# Altium PCB Mixed_Signal_Board_PCB.PcbDoc (part 1 of 4) (continued)
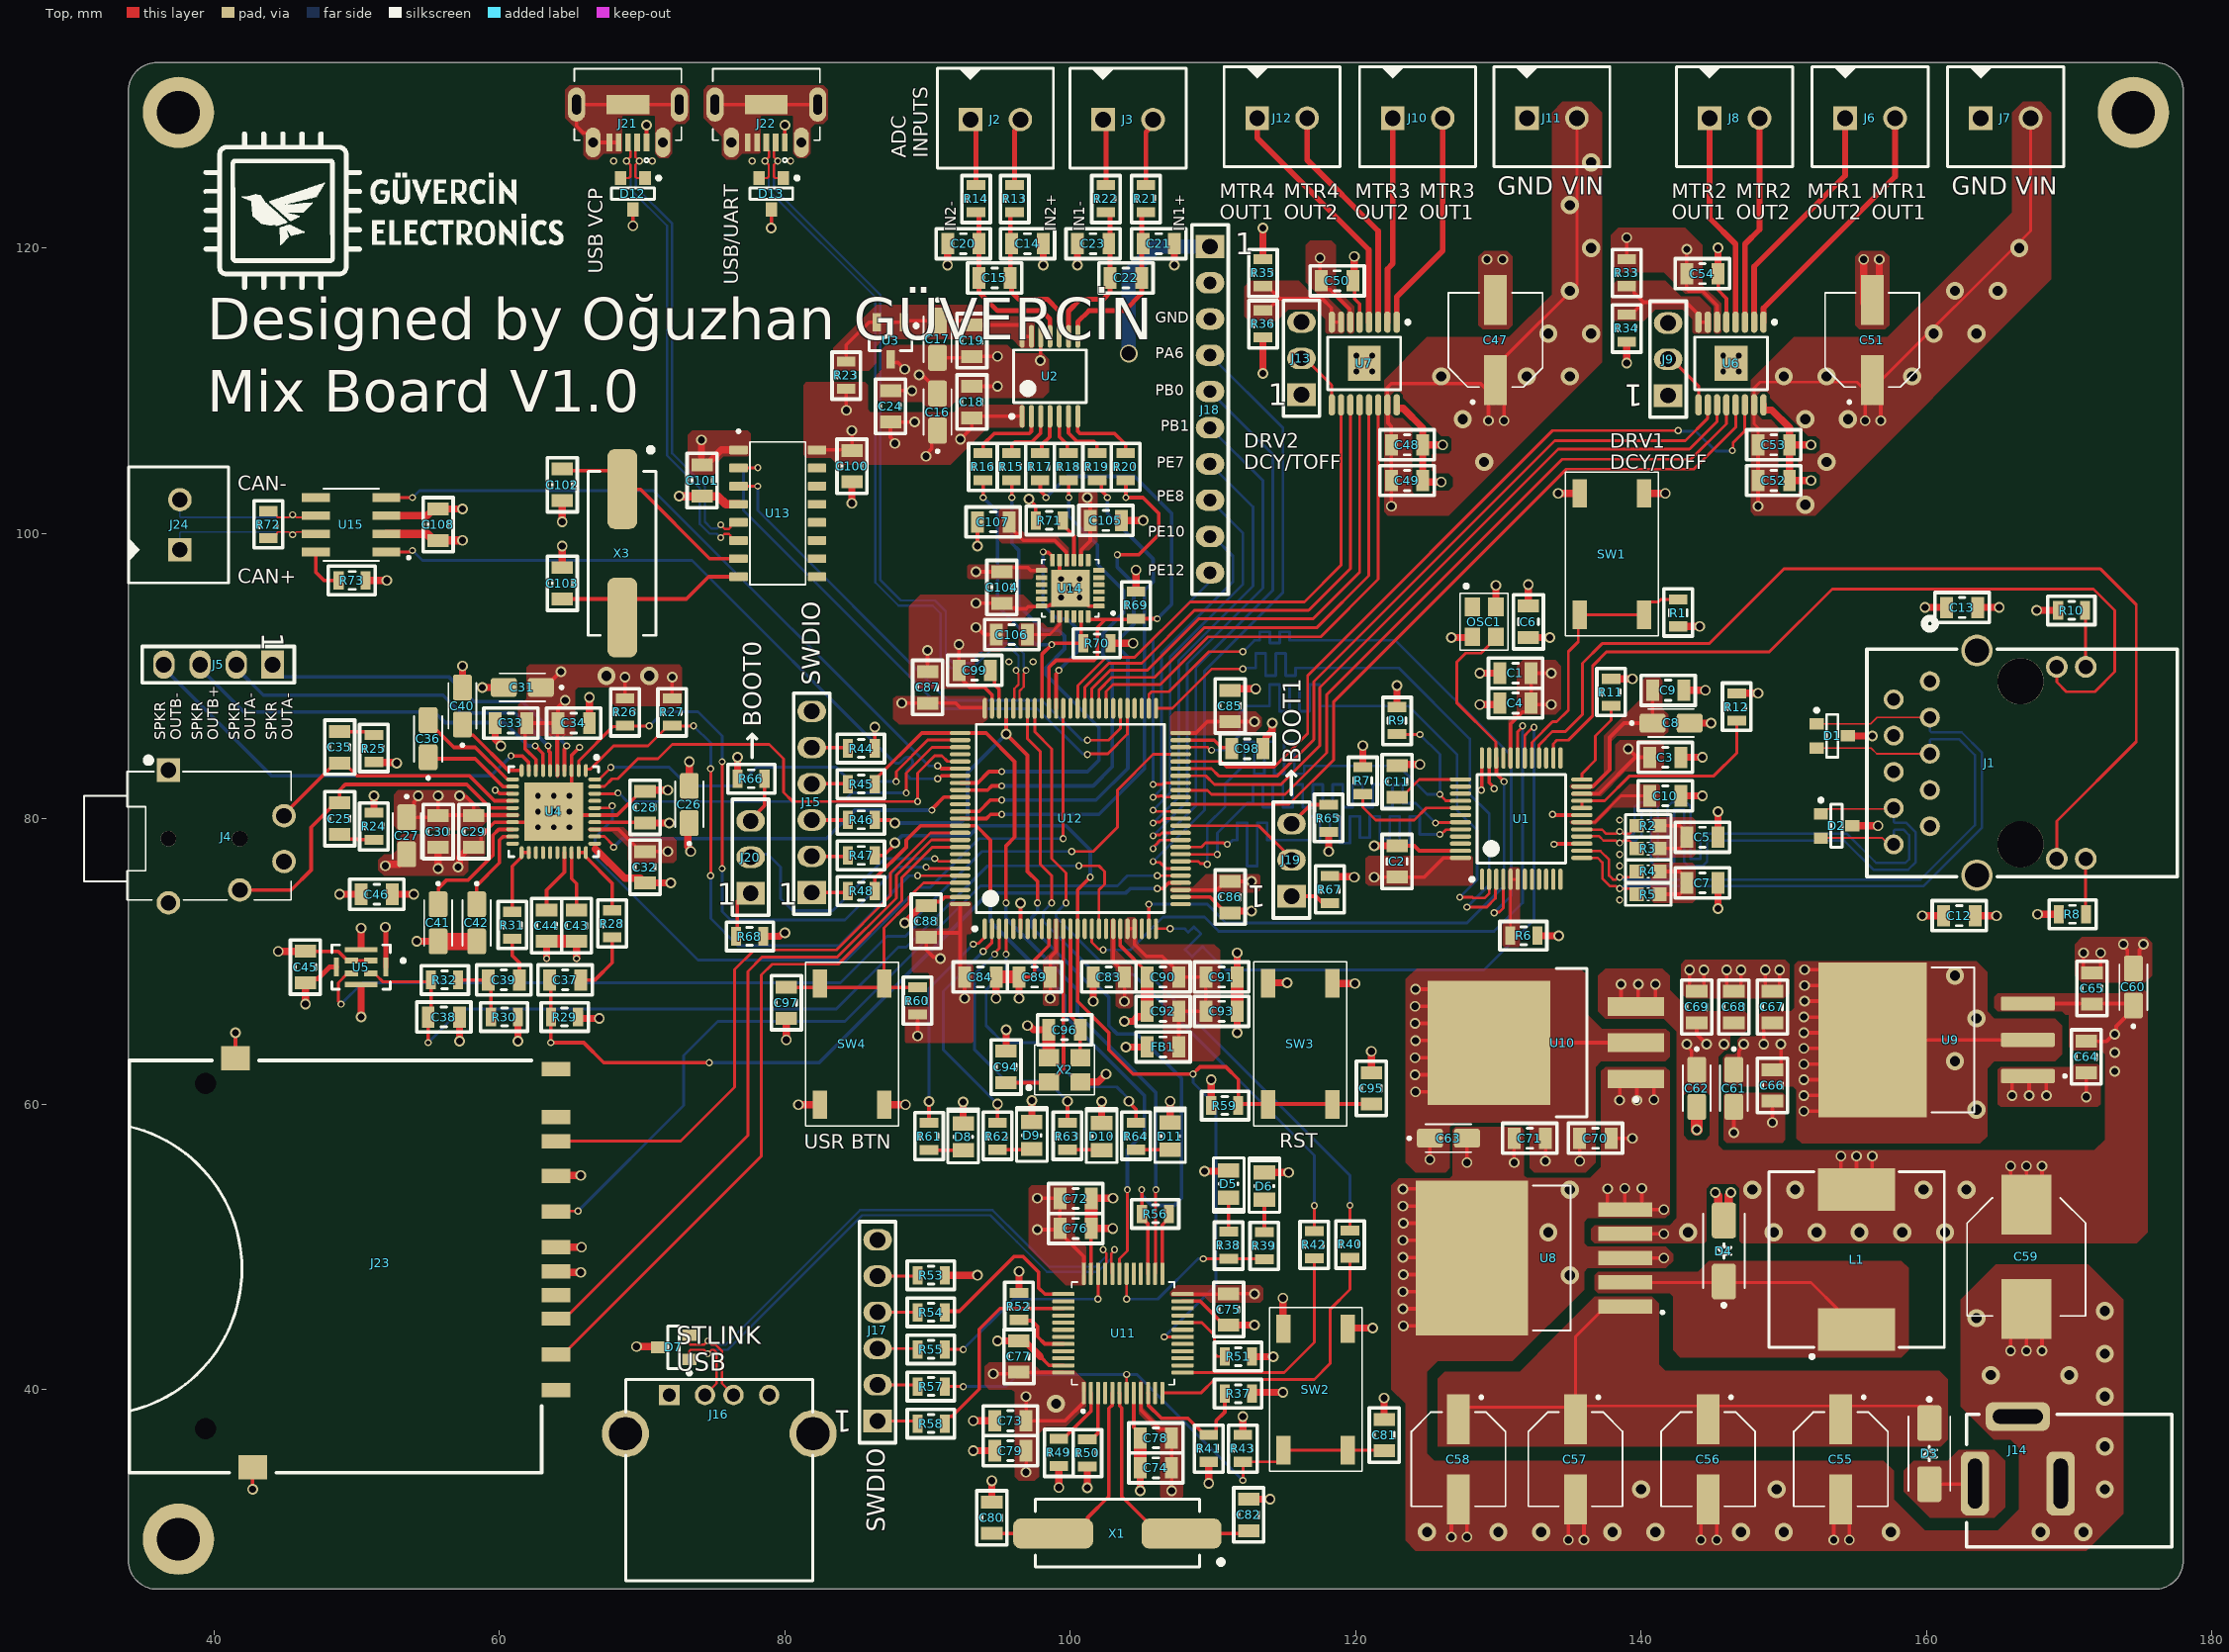
[diagram p0: Top view]
## Components (designator, comment, footprint, x,y, rotation, side; value= is the part's Value field where it differs from the comment) (continued)
U14 "IMU_ACCEL/GYRO_3-AXIS_I2C_24QFN" IC_MPU6050 100,96.15 r180 top
U15 "IC_TRANSCEIVER CAN_SN65HVD230D" SOIC127P599X175-8N 49.6,100.6 r180 top
X1 "8MHz" HC-49/US 103.3,29.9 r180 top
X2 "25MHz" 4-SMD-ABM8G-25.000MHZ-4Y-T3 99.6,62.4 r0 top
X3 "CRYSTAL_12MHz_20PF_SMD" HC-49/US 68.6,98.6 r270 top

## Footprints (in the part's own frame and the unit in brackets; to place one, negate y for a bottom-side part, rotate by r counter-clockwise, add the part's x,y. Pads: shape width x height; smd on the part's side, far side on the other; paste and mask are expansions set on the pad)
"1X2_TERMINAL BLOCK" [mm]
  rect 1.65x1.65 hole 1.1: 1(0,0)
  round 1.65 hole 1.1: 2(3.5,0)
  silkscreen extent -2.32,-3.4 5.82,3.6, body extent -2.32,-3.3 5.68,3.7, height 8.41
4-SMD-ABM8G-25.000MHZ-4Y-T3 [mm]
  rect 1.4x1.2 smd: 1(-1.1,-0.85) 2(1.1,-0.85) 3(1.1,0.85) 4(-1.1,0.85)
  silkscreen extent -2.62,-1.75 2.1,1.75, body extent -1.6,-1.24 1.6,1.24, height 0.99
4-SMD_CMOS_OSC_3.20MMX2.50 [mm]
  rect 1.3x1.1 smd: 1(-1.05,-0.825) 2(1.05,-0.825) 3(1.05,0.825) 4(-1.05,0.825)
  silkscreen extent -2.62,-1.68 2,1.68, body extent -1.6,-1.25 1.6,1.25, height 1.21
0603_RES [mm]
  rect 1x0.95 smd: 1(-0.8,0) 2(0.8,0)
  silkscreen extent -1.6,-0.77 1.6,0.77, body extent -0.8,-0.4 0.8,0.4, height 0.51
0805_CAP [mm] "Chip Resistor, 2-Leads, Body 2,00x1,25mm, IPC Medium Density"
  rect 0.9x1.5 smd: 1(-1.1,0) 2(1.1,0)
  silkscreen extent -1.9,-1.05 1.9,1.05, body extent -1,-0.6 1,0.6, height 1.21
0805_FB [mm]
  rect 0.9x1.5 smd: 1(-1.1,0) 2(1.1,0)
  silkscreen extent -1.9,-1.05 1.9,1.05
0805_RES [mm] "Chip Resistor, 2-Leads, Body 2,00x1,25mm, IPC Medium Density"
  rect 0.7x1.3 smd: 1(-0.975,0) 2(0.925,0)
  silkscreen extent -1.7,-1 1.6,1, body extent -1,-0.6 1,0.6, height 0.61
1206_TANT_CAP [mm]
  rrect25% 1.81x1.32 smd: 1(-1.3,0) 2(1.3,0)
  silkscreen extent -2.85,-0.98 1.6,0.98, body extent -1.6,-0.8 1.6,0.8, height 1.81
ARJM11C7-114-BA-EW2_ABR [mil]
  round 55 hole 35 mask+0: 1(0,0) 2(-50,100) 3(-100,0) 4(-150,100) 5(-200,0) 6(-250,100) 7(-300,0) 8(-350,100) 9(-400,0) 10(-450,100)
  round 60 hole 40: 11(39.76,-350) 12(39.76,-429.92) 13(-489.76,-350) 14(-489.76,-429.92)
  round 87 hole 67: 15(85.04,-129.92) 16(-535.04,-129.92)
  round 128 hole 128: 17(0,-250) 18(-450,-250)
  silkscreen extent -539,-682 174,174, body extent -597,-675 147,177, height 602
"CONN TRSS HEADPHONE JACK" [mm]
  rect 1.65x1.65 hole 1.1: 1(-2.6,4.8)
  round 1.65 hole 1.1: 2(2.4,-3.6) 3(5.5,1.6) 4(-2.6,-4.5) 5(5.5,-1.6)
  round 1.1 hole 1.1 unplated: ""(-2.6,0) ""(2.4,0)
  silkscreen extent -8.5,-4.3 6,5.7, body extent -8,-5.3 6,4.9, height 5.26
DC_POWER_JACK_2MM [mm]
  rrect50% 2x4.5 hole 1 slot 3.5 at 90 deg: 1(-6,0) 2(0,0)
  rrect50% 4.5x2 hole 1 slot 3.5 at 0 deg: 3(-3,4.7)
  silkscreen extent -6.6,-4.45 7.8,4.85, body extent -6.6,-4.45 7.8,4.85, height 3
DIOC2114X07N-0805-LED-BLUE [mm] "Chip Diode, 2-Leads, Body 2,10x1,35mm, IPC Medium Density"
  rect 1x1.5 smd: 1(-0.95,0) 2(0.95,0)
  silkscreen extent -1.97,-1.07 1.83,1.07, body extent -1,-0.63 1,0.63, height 1.12
DIOC2114X07N-0805-LED-GREEN [mm] "Chip Diode, 2-Leads, Body 2,10x1,35mm, IPC Medium Density"
  rect 1x1.5 smd: 1(-0.95,0) 2(0.95,0)
  silkscreen extent -1.97,-1.07 1.83,1.07, body extent -1,-0.63 1,0.63, height 1.12
DIOC2114X07N-0805-LED-RED [mm] "Chip Diode, 2-Leads, Body 2,10x1,35mm, IPC Medium Density"
  rect 1x1.5 smd: 1(-0.95,0) 2(0.95,0)
  silkscreen extent -1.97,-1.07 1.83,1.07, body extent -1,-0.63 1,0.63, height 1.12
DIOC2114X07N-0805-LED-YELLOW [mm] "Chip Diode, 2-Leads, Body 2,10x1,35mm, IPC Medium Density"
  rect 1x1.5 smd: 1(-0.95,0) 2(0.95,0)
  silkscreen extent -1.97,-1.07 1.83,1.07, body extent -1,-0.63 1,0.63, height 1.12
DIOM5226X220N-SMA [mm]
  rrect25% 2.5x1.7 smd: 1(-2.14,0) 2(2.14,0)
  silkscreen extent -3.92,-1.46 2.61,1.46, body extent -2.6,-1.36 2.6,1.36, height 2.7
DIOM5226X220N_D1FH3/5053 [mm]
  rrect25% 2.5x1.7 smd: 1(-2.14,0) 2(2.14,0)
  silkscreen extent -3.92,-1.46 2.61,1.46, body extent -2.6,-1.36 2.6,1.36, height 2.7
DIP_1X3_MALE_HEADER_2.54_PITCH [mm]
  rect 1.6x2 hole 1.1: 1(0,0)
  oval 1.5x2 hole 1.1: 2(2.54,0) 3(5.08,0)
  silkscreen extent -1.52,-1.27 6.6,1.27, body extent -1.27,-1.14 6.35,1.4, height 8.96
DIP_1X4_MALE_HEADER_2.54_PITCH [mm]
  rect 1.6x2 hole 1.1: 1(0,0)
  oval 1.5x2 hole 1.1: 2(2.54,0) 3(5.08,0) 4(7.62,0)
  silkscreen extent -1.52,-1.27 9.14,1.27, body extent -1.27,-1.27 8.89,1.27, height 8.96
DIP_1X6_MALE_HEADER_2.54_PITCH [mm]
  rect 1.6x2 hole 1.1: 1(0,0)
  oval 1.5x2 hole 1.1: 2(2.54,0) 3(5.08,0) 4(7.62,0) 5(10.16,0) 6(12.7,0)
  silkscreen extent -1.52,-1.27 13.97,1.27, body extent -1.27,-1.27 13.97,1.27, height 9.2
DIP_1X10_FEMALE_HEADER_2.54_PITCH [mm]
  rect 1.6x2 hole 1.1: 1(0,0)
  oval 1.5x2 hole 0.9: 2(2.54,0) 3(5.08,0) 4(7.62,0) 5(10.16,0) 6(12.7,0) 7(15.24,0) 8(17.78,0) 9(20.32,0) 10(22.86,0)
  silkscreen extent -1.52,-1.27 24.38,1.27, body extent -1.52,-1.27 24.38,1.27, height 8.51
DPAK254P1542X460-4N [mm] "D2-PAK, 4-Pads, Body 7,78x8,56mm (max), IPC Medium Density"
  rect 3.95x1.3 smd: 1(-6.35,2.54) 2(-6.35,0) 3(-6.35,-2.54)
  rect 8.6x8.7 smd: 4(3.95,0)
  silkscreen extent -6.48,-5.2 -0.75,5.2, body extent -7.55,-5.15 7.55,5.15, height 4.6
HC-49/US [mm]
  rrect50% 5.6x2.1 smd: 1(-4.5,0) 2(4.5,0)
  silkscreen extent -7.47,-2.4 5.75,2.35, body extent -6.35,-2.35 6.35,2.35, height 4.18
IC_MPU6050 [mm]
  rrect25% 0.8x0.34 smd: 1(-2,1.25) 2(-2,0.75) 3(-2,0.25) 4(-2,-0.25) 5(-2,-0.75) 6(-2,-1.25) 13(2,-1.25) 14(2,-0.75) 15(2,-0.25) 16(2,0.25) 17(2,0.75) 18(2,1.25)
  rrect25% 0.34x0.85 smd: 7(-1.25,-1.975) 8(-0.75,-1.975) 9(-0.25,-1.975) 10(0.25,-1.975) 11(0.75,-1.975) 12(1.25,-1.975) 19(1.25,1.975) 20(0.75,1.975) 21(0.25,1.975) 22(-0.25,1.975) 23(-0.75,1.975) 24(-1.25,1.975)
  rect 2.7x2.6 smd paste-2: 25(0,0)
  silkscreen extent -3.1,-2 2,2, body extent -2,-2 2,2, height 0.93
INDP120120X800N [mm]
  rect 3x5.4 smd: 1(-4.9,0) 2(4.9,0)
  silkscreen extent -6.92,-6.15 6.15,6.15, body extent -6.05,-6.05 6.05,6.05, height 7.29
MIC_IMP34DT05TR [mm]
  rect 0.95x0.4 smd paste+0 mask+0: 1(-0.675,-0.45) 2(0.675,-0.45) 3(0.675,0.45) 4(-0.675,0.45)
  rect 0.35x1.3 smd paste+0 mask+0: 5(-1.725,0) 5(1.725,0)
  rect 2.3x0.35 smd paste+0 mask+0: 5(0,1.225) 5(0,-1.225)
  silkscreen extent -3.08,-1.55 2.05,1.55, body extent -2,-1.5 2,1.5, height 1.1
MICRO_USB2.0_CUI_UJ2-MIBH2-4-SMT [mm]
  rect 1.25x0.4 smd: 1(0,0) 2(0,-0.65) 3(0,-1.3) 4(0,-1.95) 5(0,-2.6)
  oval 2.4x1.2 hole 0.6 slot 1.4 at 0 deg: SH1(-2.65,2.3) SH4(-2.65,-4.9)
  oval 2.1x1.05 hole 0.7: SH2(0,1.15) SH5(0,-3.75)
  rect 1.35x3 smd: SH3(-2.656,-1.3)
  silkscreen extent -5.15,-5.05 1.4,2.45, body extent -5.5,-5.3 0.3,2.7, height 2.73
QFN50P600X600X100_HS-41N [mm] "QFN, 40-Leads, Body 6,00x6,00mm, Pitch 0,50mm, Thermal Pad 4,10x4,10mm, IPC Medium Density"
  oval 0.9x0.28 smd: 1(-2.875,2.25) 2(-2.875,1.75) 3(-2.875,1.25) 4(-2.875,0.75) 5(-2.875,0.25) 6(-2.875,-0.25) 7(-2.875,-0.75) 8(-2.875,-1.25) 9(-2.875,-1.75) 10(-2.875,-2.25) 21(2.875,-2.25) 22(2.875,-1.75) 23(2.875,-1.25) 24(2.875,-0.75) 25(2.875,-0.25) 26(2.875,0.25) 27(2.875,0.75) 28(2.875,1.25) 29(2.875,1.75) 30(2.875,2.25)
  oval 0.28x0.9 smd: 11(-2.25,-2.875) 12(-1.75,-2.875) 13(-1.25,-2.875) 14(-0.75,-2.875) 15(-0.25,-2.875) 16(0.25,-2.875) 17(0.75,-2.875) 18(1.25,-2.875) 19(1.75,-2.875) 20(2.25,-2.875) 31(2.25,2.875) 32(1.75,2.875) 33(1.25,2.875) 34(0.75,2.875) 35(0.25,2.875) 36(-0.25,2.875) 37(-0.75,2.875) 38(-1.25,2.875) 39(-1.75,2.875) 40(-2.25,2.875)
  rect 4.1x4.1 smd: 41(0,0)
  silkscreen extent -3.92,-3.15 3.15,3.15, body extent -3,-3 3,3, height 1.01
QFP50P900X900X160-48N [mm]
  rrect50% 1.56x0.28 smd: 1(-4.18,2.75) 2(-4.18,2.25) 3(-4.18,1.75) 4(-4.18,1.25) 5(-4.18,0.75) 6(-4.18,0.25) 7(-4.18,-0.25) 8(-4.18,-0.75) 9(-4.18,-1.25) 10(-4.18,-1.75) 11(-4.18,-2.25) 12(-4.18,-2.75) 25(4.18,-2.75) 26(4.18,-2.25) 27(4.18,-1.75) 28(4.18,-1.25) 29(4.18,-0.75) 30(4.18,-0.25) 31(4.18,0.25) 32(4.18,0.75) 33(4.18,1.25) 34(4.18,1.75) 35(4.18,2.25) 36(4.18,2.75)
  rrect50% 0.28x1.56 smd: 13(-2.75,-4.18) 14(-2.25,-4.18) 15(-1.75,-4.18) 16(-1.25,-4.18) 17(-0.75,-4.18) 18(-0.25,-4.18) 19(0.25,-4.18) 20(0.75,-4.18) 21(1.25,-4.18) 22(1.75,-4.18) 23(2.25,-4.18) 24(2.75,-4.18) 37(2.75,4.18) 38(2.25,4.18) 39(1.75,4.18) 40(1.25,4.18) 41(0.75,4.18) 42(0.25,4.18) 43(-0.25,4.18) 44(-0.75,4.18) 45(-1.25,4.18) 46(-1.75,4.18) 47(-2.25,4.18) 48(-2.75,4.18)
  silkscreen extent -5.56,-3.6 3.6,3.6, body extent -4.5,-4.5 4.5,4.5, height 1.62
RADIAL-2_6.3MMX7.7MM [mm]
  rect 3.5x1.6 smd: 1(-2.8,0) 2(2.8,0)
  silkscreen extent -4.45,-3.3 3.3,3.3, body extent -3.65,-3.25 3.65,3.35, height 5.91
RADIAL-2_8MMX10MM [mm]
  rect 4.2x3.5 smd: 1(-3.65,0) 2(3.65,0)
  silkscreen extent -4.13,-4.15 4.15,4.15, body extent -4.5,-4.15 4.5,4.15, height 10.51
"SD CARD L-KLS1-TF-003" [mm]
  rect 1x2 smd: 1(19.99,1) 2(17.49,1) 3(14.19,1) 4(12.48,1) 5(9.98,1) 6(7.48,1) 7(5.05,1) 8(3.35,1) 9(22.49,1) CD(15.84,1) WP(0,1)
  round 0 hole 1.5 unplated: 10(1,-23.55) 11(25.2,-23.55)
  rect 1.7x2 smd: SH1(-0.75,-21.45) SH2(27.9,-20.25)
  silkscreen extent -0.6,-28.91 28.3,0, body extent -0.63,-28.92 28.28,-0.02, height 2.71
SOIC127P599X175-8N [mm]
  rect 1.97x0.6 smd: 1(-2.47,1.905) 2(-2.47,0.635) 3(-2.47,-0.635) 4(-2.47,-1.905) 5(2.47,-1.905) 6(2.47,-0.635) 7(2.47,0.635) 8(2.47,1.905)
  silkscreen extent -4.14,-2.52 1.95,2.52, body extent -3,-2.45 3,2.45, height 1.75
SOIC127P600X180-16N [mm]
  rrect25% 1.31x0.62 smd: 1(-2.75,4.445) 2(-2.75,3.175) 3(-2.75,1.905) 4(-2.75,0.635) 5(-2.75,-0.635) 6(-2.75,-1.905) 7(-2.75,-3.175) 8(-2.75,-4.445) 9(2.75,-4.445) 10(2.75,-3.175) 11(2.75,-1.905) 12(2.75,-0.635) 13(2.75,0.635) 14(2.75,1.905) 15(2.75,3.175) 16(2.75,4.445)
  silkscreen extent -2.85,-5 1.95,5.85, body extent -3,-5 3,5, height 1.8
SOT95P237X112-3N [mm] "SOT23, 3-Leads, Body 2,92x2,37mm, Pitch 0,95mm, IPC Medium Density"
  rect 1.3x0.6 smd: 1(-1.3,0.95) 2(-1.3,-0.95) 3(1.3,0)
  silkscreen extent -1.17,-1.5 0.7,1.93, body extent -1.4,-1.45 1.4,1.45, height 1.3
SOT170P237X110-3N [mm] "SOT223, 3-Leads, Body 2,92x2,37mm (avg), Pitch 1,70mm, IPC Medium Density"
  rect 1x0.8 smd: 1(-1.1,0.85) 2(-1.1,-0.85) 3(1.1,0)
  silkscreen extent -1.22,-1.5 0.4,1.92, body extent -1.17,-1.46 1.17,1.46, height 0.91
STM32F407_LQFP50P1600X1600X160-100N [mm] "LQFP, 100-Leads, Body 14,00x14,00mm, Pitch 0,50mm, IPC Medium Density"
  oval 0.3x1.45 smd: 1(-5.992,-7.717) 2(-5.492,-7.717) 3(-4.992,-7.717) 4(-4.492,-7.717) 5(-3.992,-7.717) 6(-3.492,-7.717) 7(-2.992,-7.717) 8(-2.492,-7.717) 9(-1.992,-7.717) 10(-1.492,-7.717) 11(-0.992,-7.717) 12(-0.492,-7.717) 13(0.008,-7.717) 14(0.508,-7.717) 15(1.008,-7.717) 16(1.508,-7.717) 17(2.008,-7.717) 18(2.508,-7.717) 19(3.008,-7.717) 20(3.508,-7.717) 21(4.008,-7.717) 22(4.508,-7.717) 23(5.008,-7.717) 24(5.508,-7.717) 25(6.008,-7.717) 51(6.008,7.733) 52(5.508,7.733) 53(5.008,7.733) 54(4.508,7.733) 55(4.008,7.733) 56(3.508,7.733) 57(3.008,7.733) 58(2.508,7.733) 59(2.008,7.733) 60(1.508,7.733) 61(1.008,7.733) 62(0.508,7.733) 63(0.008,7.733) 64(-0.492,7.733) 65(-0.992,7.733) 66(-1.492,7.733) 67(-1.992,7.733) 68(-2.492,7.733) 69(-2.992,7.733) 70(-3.492,7.733) 71(-3.992,7.733) 72(-4.492,7.733) 73(-4.992,7.733) 74(-5.492,7.733) 75(-5.992,7.733)
  oval 1.45x0.3 smd: 26(7.733,-5.992) 27(7.733,-5.492) 28(7.733,-4.992) 29(7.733,-4.492) 30(7.733,-3.992) 31(7.733,-3.492) 32(7.733,-2.992) 33(7.733,-2.492) 34(7.733,-1.992) 35(7.733,-1.492) 36(7.733,-0.992) 37(7.733,-0.492) 38(7.733,0.008) 39(7.733,0.508) 40(7.733,1.008) 41(7.733,1.508) 42(7.733,2.008) 43(7.733,2.508) 44(7.733,3.008) 45(7.733,3.508) 46(7.733,4.008) 47(7.733,4.508) 48(7.733,5.008) 49(7.733,5.508) 50(7.733,6.008) 76(-7.717,6.008) 77(-7.717,5.508) 78(-7.717,5.008) 79(-7.717,4.508) 80(-7.717,4.008) 81(-7.717,3.508) 82(-7.717,3.008) 83(-7.717,2.508) 84(-7.717,2.008) 85(-7.717,1.508) 86(-7.717,1.008) 87(-7.717,0.508) 88(-7.717,0.008) 89(-7.717,-0.492) 90(-7.717,-0.992) 91(-7.717,-1.492) 92(-7.717,-1.992) 93(-7.717,-2.492) 94(-7.717,-2.992) 95(-7.717,-3.492) 96(-7.717,-3.992) 97(-7.717,-4.492) 98(-7.717,-4.992) 99(-7.717,-5.492) 100(-7.717,-5.992)
  silkscreen extent -6.82,-7.84 6.61,6.61, body extent -7.98,-8 8.02,8, height 1.48
TACT_SWITCH_6MMX6MM [mm]
  rect 2x1 smd: 1(-4.25,2.25) 2(4.25,2.25) 3(-4.25,-2.25) 4(4.25,-2.25)
  silkscreen extent -5.75,-3.25 5.75,3.25, body extent -4.5,-3 4.5,3, height 4.31
TO170P1524X483-6N [mm]
  rect 3.79x0.99 smd: 1(-6.4,3.4) 2(-6.4,1.7) 3(-6.4,0) 4(-6.4,-1.7) 5(-6.4,-3.4)
  rect 7.88x10.84 smd paste-6: 6(4.35,0)
  silkscreen extent -9.1,-5.08 0.09,5.08, body extent -7.18,-5.08 7.18,5.08, height 4.65
TO254P1524X483-4N [mm]
  rrect25% 3.79x0.99 smd: 1(-6.4,2.54) 2(-6.4,0) 3(-6.4,-2.54)
  rect 7.62x10.84 smd paste-6: 4(4.48,0)
  silkscreen extent -9.1,-5.08 0.35,5.08, body extent -7.18,-5.08 7.18,5.08, height 4.65
TSOP65P640X120-14N [mm] "TSOP, 14-Leads, Body 5,00x4,40mm, Pitch 0,65mm, IPC Medium Density"
  oval 1.6x0.35 smd: 1(-2.8,1.95) 2(-2.8,1.3) 3(-2.8,0.65) 4(-2.8,0) 5(-2.8,-0.65) 6(-2.8,-1.3) 7(-2.8,-1.95) 8(2.8,-1.95) 9(2.8,-1.3) 10(2.8,-0.65) 11(2.8,0) 12(2.8,0.65) 13(2.8,1.3) 14(2.8,1.95)
  silkscreen extent -2.92,-2.55 1.85,2.8, body extent -3.2,-2.5 3.2,2.5, height 1.2
TSOP65P640X120_HS-17N [mm] "TSOP, 16-Leads, Body 5,00x4,40mm, Pitch 0,65mm, Thermal Pad 2,31x2,46mm, IPC Medium Density"
  oval 1.5x0.45 smd: 1(-2.9,2.275) 2(-2.9,1.625) 3(-2.9,0.975) 4(-2.9,0.325) 5(-2.9,-0.325) 6(-2.9,-0.975) 7(-2.9,-1.625) 8(-2.9,-2.275) 9(2.9,-2.275) 10(2.9,-1.625) 11(2.9,-0.975) 12(2.9,-0.325) 13(2.9,0.325) 14(2.9,0.975) 15(2.9,1.625) 16(2.9,2.275)
  rect 2.46x2.31 smd: 17(0,0)
  silkscreen extent -3.02,-2.55 1.85,3.17, body extent -3.2,-2.5 3.2,2.5, height 1.13
TSQFP50P900X900X160-48N [mm] "TSQFP, 48-Leads, Body 7,00x7,00mm, Pitch 0,50mm, IPC Medium Density"
  oval 1.5x0.3 smd: 1(-4.25,2.75) 2(-4.25,2.25) 3(-4.25,1.75) 4(-4.25,1.25) 5(-4.25,0.75) 6(-4.25,0.25) 7(-4.25,-0.25) 8(-4.25,-0.75) 9(-4.25,-1.25) 10(-4.25,-1.75) 11(-4.25,-2.25) 12(-4.25,-2.75) 25(4.25,-2.75) 26(4.25,-2.25) 27(4.25,-1.75) 28(4.25,-1.25) 29(4.25,-0.75) 30(4.25,-0.25) 31(4.25,0.25) 32(4.25,0.75) 33(4.25,1.25) 34(4.25,1.75) 35(4.25,2.25) 36(4.25,2.75)
  oval 0.3x1.5 smd: 13(-2.75,-4.25) 14(-2.25,-4.25) 15(-1.75,-4.25) 16(-1.25,-4.25) 17(-0.75,-4.25) 18(-0.25,-4.25) 19(0.25,-4.25) 20(0.75,-4.25) 21(1.25,-4.25) 22(1.75,-4.25) 23(2.25,-4.25) 24(2.75,-4.25) 37(2.75,4.25) 38(2.25,4.25) 39(1.75,4.25) 40(1.25,4.25) 41(0.75,4.25) 42(0.25,4.25) 43(-0.25,4.25) 44(-0.75,4.25) 45(-1.25,4.25) 46(-1.75,4.25) 47(-2.25,4.25) 48(-2.75,4.25)
  silkscreen extent -4.37,-3.1 3.1,3.57, body extent -4.5,-4.5 4.5,4.5, height 1.5
USB_2.0_B_OST_USB-A1HSW6 [mm]
  rect 1.428x1.428 hole 0.92: 1(-3.5,6.51)
  round 1.428 hole 0.92: 2(-1,6.51) 3(1,6.51) 4(3.5,6.51)
  round 3.3 hole 2.3: SH1(-6.57,3.8) SH2(6.57,3.8)
  silkscreen extent -6.55,-6.5 6.55,7.6, body extent -7.9,-6.5 7.9,7.6, height 7.61

## Part data
C1 C2 C3 C5 C6 C7 C9 C10 C11 C12 C13 C15 C18 C19 C22 C28 C29 C30 C32 C33 C34 C45 C48 C49 C52 C53 C65 C66 C69 C70 C75 C76 C77 C81 C84 C85 C86 C87 C88 C89 C90 C91 C95 C97 C100 C104 C107 C108: "Cap Ceramic 0.1uF 50V X7R 20% SMD 0805 125C Paper T/R", Capacitance=100nF, Case/Package=0805, Dielectric=X7R, Dielectric Material=Ceramic, Manufacturer=KEMET, Manufacturer Part Number=C0805C104M5RACTU, Max Operating Temperature=125°C, Min Operating Temperature=-55°C, Supplier Part Number 1=399-C0805C104M5RAC7800CT-ND, Tolerance=20%, Voltage Rating (DC)=50V, Category="Ceramic Capacitors", ComponentLink1Description=http://uk.rs-online.com/webdocs/13da/0900766b813daa06.pdf?src-supplier=RSComponents, ComponentLink1URL=http://uk.rs-online.com/webdocs/13da/0900766b813daa06.pdf?src-supplier=RSComponents, ComponentLink3Description=http://www.farnell.com/datasheets/2739857.pdf?src-supplier=Farnell, ComponentLink3URL=http://www.farnell.com/datasheets/2739857.pdf?src-supplier=Farnell, Depth=1.25mm, Height=0.9mm, Length=2mm, Mount="Surface Mount", Packaging="Tape and Reel", Pricing 1="1=0,10000, 10=0,06400, 50=0,03500, 100=0,02860, 500=0,02040, 1000=0,01603 (USD)", Radiation Hardening=No, RoHS=Yes, Stock 1=4863, Supplier 1=Digi-Key
  C1 C2 C3 C5 C6 C7 C9 C10 C11 C12 C13 C15 C18 C19 C22 C28 C29 C30 C32 C33 C34 C45 C48 C49 C52 C53 C65 C66 C69 C70 C75 C76 C77 C84 C85 C86 C87 C88 C89 C90 C91 C100 C104 C107 C108: ComponentLink2Description=https://www.verical.com/server-webapp/html/getDatasheet?partID=774625&src-supplier=Verical, ComponentLink2URL=https://www.verical.com/server-webapp/html/getDatasheet?partID=774625&src-supplier=Verical, ComponentLink4Description=http://uk.rs-online.com/webdocs/1515/0900766b81515223.pdf?src-supplier=RSComponents, ComponentLink4URL=http://uk.rs-online.com/webdocs/1515/0900766b81515223.pdf?src-supplier=RSComponents, ComponentLink5Description=http://components.arrow.com/part/dataview/0323_00324812?src-supplier=Arrow+Europe, ComponentLink5URL=http://components.arrow.com/part/dataview/0323_00324812?src-supplier=Arrow+Europe, ComponentLink6Description=http://uk.rs-online.com/webdocs/1528/0900766b81528e2f.pdf?src-supplier=RSComponents, ComponentLink6URL=http://uk.rs-online.com/webdocs/1528/0900766b81528e2f.pdf?src-supplier=RSComponents, ComponentLink7Description=http://www.farnell.com/datasheets/2739857.pdf?src-supplier=Newark, ComponentLink7URL=http://www.farnell.com/datasheets/2739857.pdf?src-supplier=Newark, ComponentLink8Description=http://www.alliedelec.com/m/d/9bfe7773041ffe9d406e68bc7b377fdd.pdf?src-supplier=Allied+Electronics, ComponentLink8URL=http://www.alliedelec.com/m/d/9bfe7773041ffe9d406e68bc7b377fdd.pdf?src-supplier=Allied+Electronics, ComponentLink9Description=https://api.kemet.com/component-edge/download/datasheet/C0805C104M5RACTU.pdf?src-supplier=Digi-Key, ComponentLink9URL=https://api.kemet.com/component-edge/download/datasheet/C0805C104M5RACTU.pdf?src-supplier=Digi-Key, ComponentLink10Description=http://capacitoredge.kemet.com/capedge2/DataSheet?pn=C0805C104M5RACTU&src-supplier=Avnet+Europe, ComponentLink10URL=http://capacitoredge.kemet.com/capedge2/DataSheet?pn=C0805C104M5RACTU&src-supplier=Avnet+Europe, ComponentLink11Description=http://www.farnell.com/datasheets/2739857.pdf?src-supplier=Element14, ComponentLink11URL=http://www.farnell.com/datasheets/2739857.pdf?src-supplier=Element14, ComponentLink12Description=http://www.mouser.com/ds/2/212/KEM_C1002_X7R_SMD-1102033.pdf?src-supplier=Mouser, ComponentLink12URL=http://www.mouser.com/ds/2/212/KEM_C1002_X7R_SMD-1102033.pdf?src-supplier=Mouser, ComponentLink13Description=https://www.verical.com/server-webapp/html/getDatasheet?partID=91523&src-supplier=Verical, ComponentLink13URL=https://www.verical.com/server-webapp/html/getDatasheet?partID=91523&src-supplier=Verical, ComponentLink14Description=http://components.arrow.com/part/dataview/2091108S8109171N7429?src-supplier=Arrow+Electronics, ComponentLink14URL=http://components.arrow.com/part/dataview/2091108S8109171N7429?src-supplier=Arrow+Electronics
  C81 C95 C97: ComponentLink2Description=http://uk.rs-online.com/webdocs/1515/0900766b81515223.pdf?src-supplier=RSComponents, ComponentLink2URL=http://uk.rs-online.com/webdocs/1515/0900766b81515223.pdf?src-supplier=RSComponents, ComponentLink4Description=http://components.arrow.com/part/dataview/0323_00324812?src-supplier=Arrow+Europe, ComponentLink4URL=http://components.arrow.com/part/dataview/0323_00324812?src-supplier=Arrow+Europe, ComponentLink5Description=http://uk.rs-online.com/webdocs/1528/0900766b81528e2f.pdf?src-supplier=RSComponents, ComponentLink5URL=http://uk.rs-online.com/webdocs/1528/0900766b81528e2f.pdf?src-supplier=RSComponents, ComponentLink6Description=http://www.farnell.com/datasheets/2739857.pdf?src-supplier=Newark, ComponentLink6URL=http://www.farnell.com/datasheets/2739857.pdf?src-supplier=Newark, ComponentLink7Description=https://api.kemet.com/component-edge/download/datasheet/C0805C104M5RACTU.pdf?src-supplier=Digi-Key, ComponentLink7URL=https://api.kemet.com/component-edge/download/datasheet/C0805C104M5RACTU.pdf?src-supplier=Digi-Key, ComponentLink8Description=http://www.farnell.com/datasheets/2739857.pdf?src-supplier=Element14, ComponentLink8URL=http://www.farnell.com/datasheets/2739857.pdf?src-supplier=Element14, ComponentLink9Description=http://www.alliedelec.com/m/d/9bfe7773041ffe9d406e68bc7b377fdd.pdf?src-supplier=Allied+Electronics, ComponentLink9URL=http://www.alliedelec.com/m/d/9bfe7773041ffe9d406e68bc7b377fdd.pdf?src-supplier=Allied+Electronics, ComponentLink10Description=http://www.mouser.com/ds/2/212/KEM_C1002_X7R_SMD-1102033.pdf?src-supplier=Mouser, ComponentLink10URL=http://www.mouser.com/ds/2/212/KEM_C1002_X7R_SMD-1102033.pdf?src-supplier=Mouser, ComponentLink11Description=http://capacitoredge.kemet.com/capedge2/DataSheet?pn=C0805C104M5RACTU&src-supplier=Avnet+Europe, ComponentLink11URL=http://capacitoredge.kemet.com/capedge2/DataSheet?pn=C0805C104M5RACTU&src-supplier=Avnet+Europe
C4 C24 C38 C78 C79 C101 C105: "CAP CER 10000PF 50V X7R 0805", Capacitance=10nF, Case Code (Metric)=2012, Case Code (Imperial)=0805, Dielectric=X7R, Manufacturer=Samsung, Manufacturer Part Number=CL21B103KBANNNC, Max Operating Temperature=125°C, Min Operating Temperature=-55°C, Supplier Part Number 1=1276-1015-1-ND, Tolerance=10%, Voltage=50V, Case/Package=0805, Category="Ceramic Capacitors", ComponentLink1Description=https://datasheet.ciiva.com/25709/cl21b103kbannnc-25709781.pdf?src-supplier=Digi-Key, ComponentLink1URL=https://datasheet.ciiva.com/25709/cl21b103kbannnc-25709781.pdf?src-supplier=Digi-Key, ComponentLink2Description=https://datasheet.ciiva.com/29199/455082-da-01-en-vs-kondensator-0805-29199459.pdf?src-supplier=Conrad, ComponentLink2URL=https://datasheet.ciiva.com/29199/455082-da-01-en-vs-kondensator-0805-29199459.pdf?src-supplier=Conrad, Construction=Flat, Contact Plating=Tin, Depth=1.25mm, Height=0.65mm, Lead Free="Lead Free", Length=2mm, Material=Ceramic, Mount="Surface Mount", Packaging="Tape and Reel", Pricing 1="1=0,10000, 10=0,04600, 50=0,02500, 100=0,02050, 500=0,01464, 1000=0,01150 (USD)", Radiation Hardening=No, RoHS=Yes, RoHS Compliant=Yes, Series=CL, Stock 1=1431273, Supplier 1=Digi-Key, Thickness=0.03inch, Voltage Rating=50V, Voltage Rating (DC)=50V, Width=0.049inch
C8 C16 C17 C31 C41 C60 C61 C62 C63: "Cap Tant Solid 10uF 10V A CASE 10% (3.2 X 1.6 X 1.6mm) Inward L SMD 3216-18 3 Ohm 125C T/R", Capacitance=10uF, Case Code (Metric)=3216, Case Code (Imperial)=1206, Case/Package=Molded, ESR (Equivalent Series Resistance)=3R, Leakage Current=1uA, Manufacturer="Kyocera AVX", Manufacturer Part Number=TAJA106K010SNJ, Max Operating Temperature=125°C, Min Operating Temperature=-55°C, Package Quantity=8000, Supplier Part Number 1=478-13122-1-ND, Tolerance=10%, Voltage Rating=10V, Category="Tantalum Capacitors", ComponentLink1Description=https://datasheet.ciiva.com/12909/taj-27497-12909898.pdf?src-supplier=Mouser, ComponentLink1URL=https://datasheet.ciiva.com/12909/taj-27497-12909898.pdf?src-supplier=Mouser, Construction=Flat, Depth=1.6mm, Dissipation Factor=6%, Height=1.8mm, Lead Free="Lead Free", Length=3.2mm, Number of Pins=2, Packaging="Tape and Reel", Polarity=Polar, Pricing 1="1=0,31000, 10=0,21300, 50=0,14920, 100=0,12780, 500=0,09584, 1000=0,08094, 2500=0,07668 (USD)", Radiation Hardening=No, RoHS=Yes, RoHS Compliant=Yes, Series=TAJ, Stock 1=14579, Supplier 1=Digi-Key, Termination=SMD/SMT, Voltage Rating (DC)=10V, Width=1.6mm
C14 C20 C21 C23: "CAP CER 220PF 50V C0G/NP0 0805", Capacitance=220pF, Case Code (Metric)=2012, Case Code (Imperial)=0805, Dielectric=C0G, Manufacturer=Samsung, Manufacturer Part Number=CL21C221JBANNNC, Max Operating Temperature=125°C, Min Operating Temperature=-55°C, Package Quantity=1, Supplier Part Number 1=1276-1164-1-ND, Temperature Coefficient=300ppm/°C, Tolerance=5%, Voltage=50V, Case/Package=0805, Category="Ceramic Capacitors", ComponentLink1Description=https://datasheet.ciiva.com/25788/cl21c221jbannnc-25788370.pdf?src-supplier=Digi-Key, ComponentLink1URL=https://datasheet.ciiva.com/25788/cl21c221jbannnc-25788370.pdf?src-supplier=Digi-Key, ComponentLink2Description=https://datasheet.ciiva.com/29199/453859-da-01-en-vs-kondensator-0805-29199965.pdf?src-supplier=Conrad, ComponentLink2URL=https://datasheet.ciiva.com/29199/453859-da-01-en-vs-kondensator-0805-29199965.pdf?src-supplier=Conrad, ComponentLink3Description=https://datasheet.ciiva.com/16428/cl05b104kq5nnnc-16428917.pdf?src-supplier=Future+Electronics, ComponentLink3URL=https://datasheet.ciiva.com/16428/cl05b104kq5nnnc-16428917.pdf?src-supplier=Future+Electronics, Construction=Flat, Depth=1.25mm, Height=0.65mm, Lead Free="Lead Free", Length=2mm, Material=Ceramic, Mount="Surface Mount", Packaging="Tape and Reel", Pricing 1="1=0,10000, 10=0,05200, 50=0,02840, 100=0,02320, 500=0,01660, 1000=0,01304 (USD)", Radiation Hardening=No, RoHS=Yes, RoHS Compliant=Yes, Series=CL, Stock 1=130340, Supplier 1=Digi-Key, Thickness=0.03inch, Voltage Rating=50V, Voltage Rating (DC)=50V, Width=0.049inch
C25 C35: "Cap Ceramic 0.022uF 50V X7R 10% Pad SMD 0805 125C T/R", Capacitance=22nF, Case/Package=0805, Dielectric=X7R, Dielectric Material=Ceramic, Manufacturer=KEMET, Manufacturer Part Number=C0805C223K5RAC7210, Max Operating Temperature=125°C, Min Operating Temperature=-55°C, Supplier Part Number 1=399-C0805C223K5RAC7210CT-ND, Tolerance=10%, Voltage Rating (DC)=50V, Category="Ceramic Capacitors", ComponentLink1Description=http://components.arrow.com/part/dataview/3451368S8809735N7429?src-supplier=Arrow+Electronics, ComponentLink1URL=http://components.arrow.com/part/dataview/3451368S8809735N7429?src-supplier=Arrow+Electronics, ComponentLink2Description=https://www.verical.com/server-webapp/html/getDatasheet?partID=104142&src-supplier=Verical, ComponentLink2URL=https://www.verical.com/server-webapp/html/getDatasheet?partID=104142&src-supplier=Verical, Construction=Flat, Depth=1.25mm, Height=0.78mm, Length=2mm, Mount="Surface Mount", Packaging="Tape and Reel", Pricing 1="1=0,10000, 10=0,05200, 50=0,02840, 100=0,02320, 500=0,01656, 1000=0,01301, 2500=0,01182, 5000=0,01088 (USD)", Radiation Hardening=No, RoHS=Yes, RoHS Compliant=Yes, Stock 1=39697, Supplier 1=Digi-Key
C26 C27 C36 C40 C42: "CAP TANT 1UF 10% 16V 1206", Capacitance=1uF, Case Code (Metric)=3216, Case Code (Imperial)=1206, Dielectric Material=Tantalum, ESR (Equivalent Series Resistance)=11R, Manufacturer="Kyocera AVX", Manufacturer Part Number=TAJA105K016SNJ, Max Operating Temperature=125°C, Min Operating Temperature=-55°C, Package Quantity=1, Supplier Part Number 1=478-7525-1-ND, Tolerance=10%, Voltage Rating=16V, Case/Package=1206, Category="Tantalum Capacitors", ComponentLink1Description=https://datasheet.ciiva.com/12883/taj-27497-12883493.pdf?src-supplier=Mouser, ComponentLink1URL=https://datasheet.ciiva.com/12883/taj-27497-12883493.pdf?src-supplier=Mouser, ComponentLink2Description=https://datasheet.ciiva.com/6228/taj-6228987.pdf?src-supplier=Digi-Key, ComponentLink2URL=https://datasheet.ciiva.com/6228/taj-6228987.pdf?src-supplier=Digi-Key, ComponentLink3Description=https://datasheet.ciiva.com/6228/taj-6228988.pdf?src-supplier=Digi-Key, ComponentLink3URL=https://datasheet.ciiva.com/6228/taj-6228988.pdf?src-supplier=Digi-Key, ComponentLink4Description=https://datasheet.ciiva.com/6228/taj-6228989.pdf?src-supplier=Digi-Key, ComponentLink4URL=https://datasheet.ciiva.com/6228/taj-6228989.pdf?src-supplier=Digi-Key, Depth=1.6mm, Dissipation Factor=4%, Features="General Purpose", Height=1.8mm, Height - Seated (Max)=0.071inch, Lead Free="Lead Free", Length=3.2mm, Mount="Surface Mount", Number of Pins=2, Packaging="Tape and Reel", Polarity=Polar, Pricing 1="1=0,34000, 10=0,23300, 50=0,16300, 100=0,13970, 500=0,10480, 1000=0,08849, 2500=0,08384 (USD)", Radiation Hardening=No, RoHS=Yes, Stock 1=6536, Supplier 1=Digi-Key, Termination=SMD/SMT, Voltage Rating (DC)=16V, Width=1.6mm
C37 C39 C46 C64 C67 C68 C71 C73 C74 C92 C93: library part CAP_1uF_%10_25V_0805_X7R_CER, "陶瓷电容 1uF(105) 1uF ±10% 25V 0805", Case Code (Metric)=2012, Case Code (Imperial)=0805, Dielectric=X7R, Manufacturer=Samsung, Manufacturer Part Number=CL21B105KAFNNNG, Max Operating Temperature=125°C, Min Operating Temperature=-55°C, Package Quantity=3000, Supplier Part Number 1=1276-6469-1-ND, Tolerance=10%, Voltage=25V, Capacitance=1uF, Case/Package=0805, Category="Ceramic Capacitors", ComponentLink1Description=https://datasheet.ciiva.com/26920/getdatasheetpartid-698495-26920200.pdf?src-supplier=Verical, ComponentLink1URL=https://datasheet.ciiva.com/26920/getdatasheetpartid-698495-26920200.pdf?src-supplier=Verical, ComponentLink2Description=https://datasheet.ciiva.com/29199/455911-da-01-en-vs-kondensator-0805-29199043.pdf?src-supplier=Conrad, ComponentLink2URL=https://datasheet.ciiva.com/29199/455911-da-01-en-vs-kondensator-0805-29199043.pdf?src-supplier=Conrad, ComponentLink3Description=https://datasheet.ciiva.com/16428/cl05b104kq5nnnc-16428871.pdf?src-supplier=Future+Electronics, ComponentLink3URL=https://datasheet.ciiva.com/16428/cl05b104kq5nnnc-16428871.pdf?src-supplier=Future+Electronics, Depth=1.25mm, Height=1.25mm, Length=2mm, Material=Ceramic, Mount="Surface Mount", Packaging="Tape and Reel", Pricing 1="1=0,10000, 10=0,07100, 50=0,03880, 100=0,03170, 500=0,02264, 1000=0,01779 (USD)", Radiation Hardening=No, RoHS=Yes, RoHS Compliant=Yes, Series=CL, Stock 1=509034, Supplier 1=Digi-Key, Thickness=0.053inch, Voltage Rating=25V, Width=0.049inch